# KiCad board SmallDSPDual.kicad_pcb (continued)
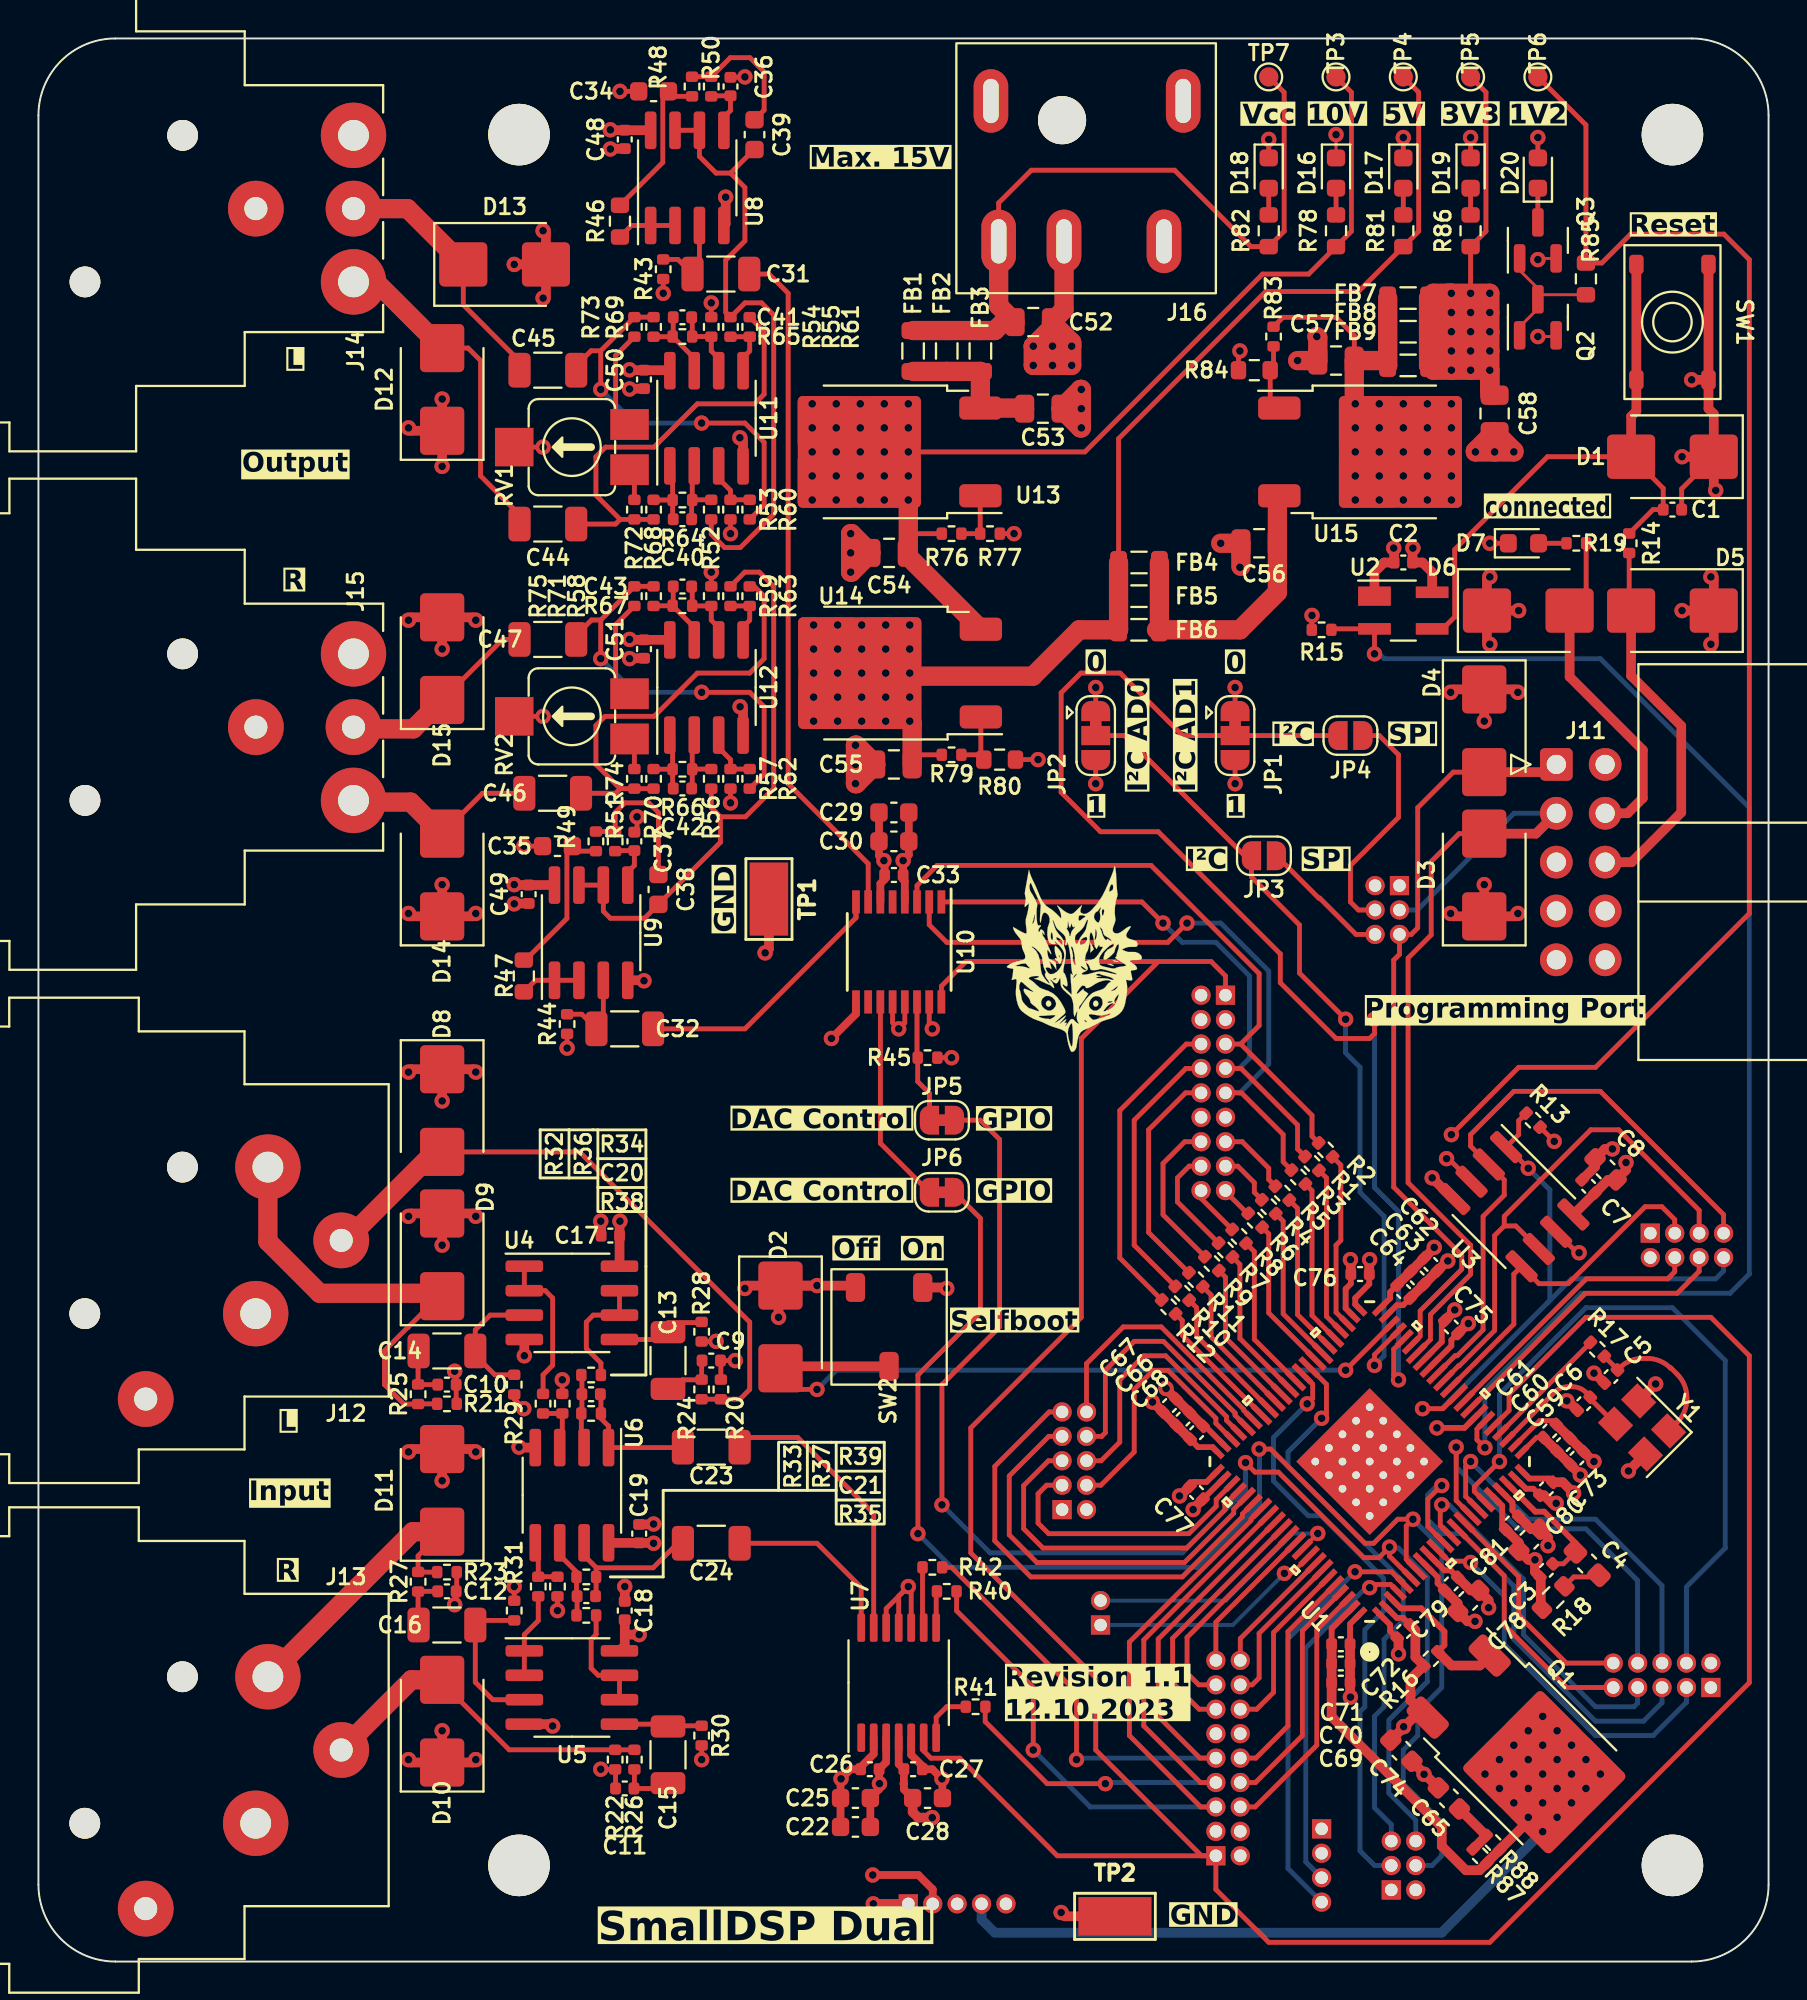
[diagram p0: board, top side]
## Library data of the parts (continued)
J5 J6 = -: Description: Generic connector, double row, 02x05, odd/even pin numbering scheme (row 1 odd numbers, row 2 even numbers), script generated (kicad-library-utils/schlib/autogen/connector/); Manufacturer: -; Part Number: -
J7 J9 = -: Description: Generic connector, double row, 02x03, odd/even pin numbering scheme (row 1 odd numbers, row 2 even numbers), script generated (kicad-library-utils/schlib/autogen/connector/); Manufacturer: -; Part Number: -
J8 = -: Description: Generic connector, double row, 02x04, odd/even pin numbering scheme (row 1 odd numbers, row 2 even numbers), script generated (kicad-library-utils/schlib/autogen/connector/); Manufacturer: -; Part Number: -
J10 = -: Description: Generic connector, single row, 01x02, script generated (kicad-library-utils/schlib/autogen/connector/); Manufacturer: -; Part Number: -
J11 = -: Description: Generic connector, double row, 02x05, odd/even pin numbering scheme (row 1 odd numbers, row 2 even numbers), script generated (kicad-library-utils/schlib/autogen/connector/); Manufacturer: Würth Electronik; Part Number: 61201021721
J12 J13 = -: Description: AA Series, 3 pole female XLR receptacle, grounding: separate ground contact to mating connector shell and front panel, horizontal PCB mount; Manufacturer: Neutrik
J14 J15 = -: Description: AA Series, 3 pole male XLR receptacle, grounding: separate ground contact to mating connector shell and front panel, horizontal PCB mount; Manufacturer: Neutrik
J16 = -: Description: DC Barrel Jack with an internal switch; Manufacturer: CUI Devices; Part Number: PJ-079BH
JP1 JP2 = -: Description: 3-pole Solder Jumper, pins 1+2 closed/bridged; Manufacturer: -; Part Number: -
JP3 JP4 = -: Description: Solder Jumper, 2-pole, open; Manufacturer: -; Part Number: -
JP5 JP6 = -: Description: Solder Jumper, 2-pole, closed/bridged; Manufacturer: -; Part Number: -
Q1 = -: Description: PNP transistor, base/collector/emitter; Manufacturer: onsemi
Q2 Q3 = -: Description: 0.2A Ic, 40V Vce, Small Signal NPN Transistor, SOT-23; Assembling: X; JLC Part Number: C20526; Manufacturer: Jiangsu Changjing Electronics Technology Co., Ltd.
R1-R12 R17 R24-R27 R40-R42 = -: Description: Resistor, small symbol; Assembling: X; JLC Part Number: C25076; Manufacturer: UNI-ROYAL(Uniroyal Elec); Part Number: 0402WGF1000TCE; Rated Power: 62.5mW; Tolerance: 1%
R13 R20-R23 R28-R31 R43 R44 = -: Description: Resistor, small symbol; Assembling: X; JLC Part Number: C25741; Manufacturer: UNI-ROYAL(Uniroyal Elec); Part Number: 0402WGF1003TCE; Rated Power: 62.5mW; Tolerance: 1%
R14 R16 R19 R72-R75 = -: Description: Resistor, small symbol; Assembling: X; JLC Part Number: C11702; Manufacturer: UNI-ROYAL(Uniroyal Elec); Part Number: 0402WGF1001TCE; Rated Power: 62.5mW; Tolerance: 1%
R15 R36-R39 R45 R52-R59 = -: Description: Resistor, small symbol; Assembling: X; JLC Part Number: C25744; Manufacturer: UNI-ROYAL(Uniroyal Elec); Part Number: 0402WGF1002TCE; Rated Power: 62.5mW; Tolerance: 1%
R18 = -: Description: Resistor, small symbol; Assembling: X; JLC Part Number: C23159; Manufacturer: UNI-ROYAL(Uniroyal Elec); Part Number: 0603WAF4301T5E; Rated Power: 100mW; Tolerance: 1%
R32-R35 R60-R67 = -: Description: Resistor, small symbol; Assembling: X; JLC Part Number: C25765; Manufacturer: UNI-ROYAL(Uniroyal Elec); Part Number: 0402WGF2002TCE; Rated Power: 62.5mW; Tolerance: 1%
R46 R47 R80 = -: Description: Resistor, small symbol; Assembling: X; JLC Part Number: C22980; Manufacturer: UNI-ROYAL(Uniroyal Elec); Part Number: 0603WAF3601T5E; Rated Power: 100mW; Tolerance: 1%
R48 R49 = -: Description: Resistor, small symbol; Assembling: X; JLC Part Number: C25762; Manufacturer: UNI-ROYAL(Uniroyal Elec); Part Number: 0402WGF1802TCE; Rated Power: 62.5mW; Tolerance: 1%
R50 R51 = -: Description: Resistor, small symbol; Assembling: X; JLC Part Number: C25905; Manufacturer: UNI-ROYAL(Uniroyal Elec); Part Number: 0402WGF5101TCE; Rated Power: 62.5mW; Tolerance: 1%
R68-R71 = -: Description: Resistor, small symbol; Assembling: X; JLC Part Number: C25118; Manufacturer: UNI-ROYAL(Uniroyal Elec); Part Number: 0402WGF470JTCE; Rated Power: 62.5mW; Tolerance: 1%
R76 R79 R83 = -: Description: Resistor, small symbol; Assembling: X; JLC Part Number: C25862; Manufacturer: UNI-ROYAL(Uniroyal Elec); Part Number: 0402WGF1201TCE; Rated Power: 62.5mW; Tolerance: 1%
R77 = -: Description: Resistor, small symbol; Assembling: X; JLC Part Number: C25924; Manufacturer: UNI-ROYAL(Uniroyal Elec); Part Number: 0402WGF8201TCE; Rated Power: 62.5mW; Tolerance: 1%
R78 = -: Description: Resistor, small symbol; Assembling: X; JLC Part Number: C22843; Manufacturer: UNI-ROYAL(Uniroyal Elec); Part Number: 0603WAF1501T5E; Rated Power: 100mW; Tolerance: 1%
R81 = -: Description: Resistor, small symbol; Assembling: X; JLC Part Number: C23170; Manufacturer: UNI-ROYAL(Uniroyal Elec); Part Number: 0603WAF4300T5E; Rated Power: 100mW; Tolerance: 1%
R82 R84 = -: Description: Resistor, small symbol; Assembling: X; JLC Part Number: C22975; Manufacturer: UNI-ROYAL(Uniroyal Elec); Part Number: 0603WAF2001T5E; Rated Power: 100mW; Tolerance: 1%
R85 = -: Description: Resistor, small symbol; Assembling: X; JLC Part Number: C23350; Manufacturer: UNI-ROYAL(Uniroyal Elec); Part Number: 0603WAF2400T5E; Rated Power: 100mW; Tolerance: 1%
R86 = -: Description: Resistor, small symbol; Assembling: X; JLC Part Number: C23255; Manufacturer: UNI-ROYAL(Uniroyal Elec); Part Number: 0603WAF820JT5E; Rated Power: 100mW; Tolerance: 1%
R87 R88 = -: Description: Resistor, small symbol; Assembling: X; JLC Part Number: C25086; Manufacturer: UNI-ROYAL(Uniroyal Elec); Part Number: 0402WGF100KTCE; Rated Power: 62.5mW; Tolerance: 1%
RV1 RV2 = -: Description: Potentiometer; Manufacturer: Nidec; Part Number: ST-4ETB102; Rated Current: 100mA; Rated Power: 250mW
SW1 = -: Description: Push button switch, generic, two pins; Assembling: X; JLC Part Number: C318884; Manufacturer: XKB Connectivity
SW2 = -: Description: Switch, single pole double throw, center OFF position; Manufacturer: Nidec Components
TP1 TP2 = -: Description: test point; Manufacturer: Keystone; Part Number: 5019
TP3-TP7 = -: Description: test point
U1 = -: Description: Analog Devices Sigma DSP; Manufacturer: Analog Devices; Part Number: ADAU1463WBCPZ150; Field13: 0.213in/5.4mm
U2 = -: Description: Voltage Supervisor; Manufacturer: Analog Devices; Part Number: ADM811TARTZ-REEL
U3 = -: Description: 1Mbit SPI EEPROM; Manufacturer: STMicroelectronics; Part Number: M95M01-RMN6TP
U4-U6 U8 U11 U12 = -: Description: Dual operational amplifier; Assembling: X; JLC Part Number: C7426; Manufacturer: Texas Instruments; Part Number: NE5532DR
U7 = -: Description: 2 Channel Audio ADC; Manufacturer: Texas Instruments; Part Number: PCM1808PWR
U9 = -: Description: Dual operational amplifier; Assembling: X; JLC Part Number: C7426; Manufacturer: Texas Instruments; Notes: Cheaper and better ROHM LM4565; Part Number: NE5532DR
U10 = -: Description: 2 Channel Audio DAC; Manufacturer: Texas Instruments; Part Number: PCM1754DBQR
U13-U15 = -: Description: 1.5A 35V Adjustable Linear Regulator, TO-252; Assembling: X; JLC Part Number: C75510; Manufacturer: UTC(Unisonic Tech); Part Number: LM317AG-TN3-R
Y1 = -: Description: Four pin crystal, GND on pins 2 and 4, small symbol; Manufacturer: Würth Elektronik

## Footprints (pads in the part's own frame, mm; a bottom-side part is the same pattern mirrored in y, then rotated)
ADAU1463
  rect 0.805x0.3 smd: 1(-5.952,5.25) 2(-5.952,4.75) 21(-5.952,-4.75) 22(-5.952,-5.25) 45(5.952,-5.25) 46(5.952,-4.75) 65(5.952,4.75) 66(5.952,5.25)
  rect 0.955x0.3 smd: 3(-5.877,4.25) 4(-5.877,3.75) 19(-5.877,-3.75) 20(-5.877,-4.25) 47(5.877,-4.25) 48(5.877,-3.75) 63(5.877,3.75) 64(5.877,4.25)
  rect 1.105x0.3 smd: 5(-5.802,3.25) 6(-5.802,2.75) 17(-5.802,-2.75) 18(-5.802,-3.25) 49(5.802,-3.25) 50(5.802,-2.75) 61(5.802,2.75) 62(5.802,3.25)
  rect 1.305x0.3 smd: 7(-5.702,2.25) 8(-5.702,1.75) 9(-5.702,1.25) 10(-5.702,0.75) 11(-5.702,0.25) 12(-5.702,-0.25) 13(-5.702,-0.75) 14(-5.702,-1.25) 15(-5.702,-1.75) 16(-5.702,-2.25) 51(5.702,-2.25) 52(5.702,-1.75) 53(5.702,-1.25) 54(5.702,-0.75) 55(5.702,-0.25) 56(5.702,0.25) 57(5.702,0.75) 58(5.702,1.25) 59(5.702,1.75) 60(5.702,2.25)
  rect 0.3x0.805 smd: 23(-5.25,-5.952) 24(-4.75,-5.952) 43(4.75,-5.952) 44(5.25,-5.952) 67(5.25,5.952) 68(4.75,5.952) 87(-4.75,5.952) 88(-5.25,5.952)
  rect 0.3x0.955 smd: 25(-4.25,-5.877) 26(-3.75,-5.877) 41(3.75,-5.877) 42(4.25,-5.877) 69(4.25,5.877) 70(3.75,5.877) 85(-3.75,5.877) 86(-4.25,5.877)
  rect 0.3x1.105 smd: 27(-3.25,-5.802) 28(-2.75,-5.802) 39(2.75,-5.802) 40(3.25,-5.802) 71(3.25,5.802) 72(2.75,5.802) 83(-2.75,5.802) 84(-3.25,5.802)
  rect 0.3x1.305 smd: 29(-2.25,-5.702) 30(-1.75,-5.702) 31(-1.25,-5.702) 32(-0.75,-5.702) 33(-0.25,-5.702) 34(0.25,-5.702) 35(0.75,-5.702) 36(1.25,-5.702) 37(1.75,-5.702) 38(2.25,-5.702) 73(2.25,5.702) 74(1.75,5.702) 75(1.25,5.702) 76(0.75,5.702) 77(0.25,5.702) 78(-0.25,5.702) 79(-0.75,5.702) 80(-1.25,5.702) 81(-1.75,5.702) 82(-2.25,5.702)
  round 0.8 hole 0.4: EP(-2,0) EP(-2,2) EP(-2,1) EP(-2,-1) EP(-2,-2) EP(-1,2) EP(-1,1) EP(-1,0) EP(-1,-1) EP(-1,-2) EP(0,2) EP(0,1) EP(0,0) EP(0,-1) EP(0,-2) EP(1,2) EP(1,1) EP(1,0) EP(1,-1) EP(1,-2) EP(2,2) EP(2,1) EP(2,-1) EP(2,-2) EP(2,0)
  rect 5.4x5.4 smd: EP(0,0)
BarrelJack_CUI_PJ-079BH_Horizontal
  round 2.5 hole 2.5 unplated: (1.25,-2.5)
  oval 1.8x3.3 hole 0.8x2.3: 1(4.55,3.8) 2(-5.05,-3.5) 2(1.15,3.8) 2(4.95,-3.5) 3(-4.05,3.8)
C_0402_1005Metric
  rrect 0.56x0.62 smd: 1(-0.48,0) 2(0.48,0)
C_0603_1608Metric
  rrect 0.9x0.95 smd: 1(-0.775,0) 2(0.775,0)
C_0603_1608Metric_Pad1.08x0.95mm_HandSolder
  rrect 1.075x0.95 smd: 1(-0.863,0) 2(0.863,0)
C_0805_2012Metric
  rrect 1x1.45 smd: 1(-0.95,0) 2(0.95,0)
C_1206_3216Metric
  rrect 1.15x1.8 smd: 1(-1.475,0) 2(1.475,0)
CJS-1201TB
  rrect 1.5x1 smd: 1(-2.05,1.75) 2(2.05,0) 3(-2.05,-1.75)
Crystal_SMD_3225-4Pin_3.2x2.5mm
  rect 1.4x1.2 smd: 1(-1.1,-0.85) 2(1.1,-0.85) 3(1.1,0.85) 4(-1.1,0.85)
D_SMB
  rrect 2.5x2.3 smd: 1(-2.15,0) 2(2.15,0)
IDC-Header_2x05_P2.54mm_Horizontal
  rrect 1.7x1.7 hole 1: 1(0,0)
  round 1.7 hole 1: 2(2.54,0) 3(0,-2.54) 4(2.54,-2.54) 5(0,-5.08) 6(2.54,-5.08) 7(0,-7.62) 8(2.54,-7.62) 9(0,-10.16) 10(2.54,-10.16)
Jack_XLR_Neutrik_NC3FAAH2_Horizontal
  round 1.6 hole 1.6 unplated: (3.81,-7.62) (8.89,0)
  round 3.4 hole 1.6: 1(0,0) 2(-0.635,-7.62)
  round 2.9 hole 1.2: 3(-4.45,-3.81) G(5.72,4.44)
Jack_XLR_Neutrik_NC3MAAH_Horizontal
  round 1.6 hole 1.6 unplated: (0,-8.89) (7.62,-13.97)
  round 3.4 hole 1.6: 1(0,0) 2(7.62,0)
  round 2.9 hole 1.2: 3(3.81,0) G(3.81,-5.08)
L_0805_2012Metric
  rrect 0.875x1.2 smd: 1(-1.062,0) 2(1.062,0)
LED_0603_1608Metric
  rrect 0.875x0.95 smd: 1(-0.787,0) 2(0.787,0)
MountingHole_3.2mm_M3_ISO7380
  round 3.2 hole 3.2 unplated: (0,0)
PinHeader_1x02_P1.27mm_Vertical
  rect 1x1 hole 0.65: 1(0,0)
  oval 1x1 hole 0.65: 2(0,-1.27)
PinHeader_1x04_P1.27mm_Vertical
  rect 1x1 hole 0.65: 1(0,0)
  oval 1x1 hole 0.65: 2(0,-1.27) 3(0,-2.54) 4(0,-3.81)
PinHeader_1x05_P1.27mm_Vertical
  rect 1x1 hole 0.65: 1(0,0)
  oval 1x1 hole 0.65: 2(0,-1.27) 3(0,-2.54) 4(0,-3.81) 5(0,-5.08)
PinHeader_2x03_P1.27mm_Vertical
  rect 1x1 hole 0.65: 1(0,0)
  oval 1x1 hole 0.65: 2(1.27,0) 3(0,-1.27) 4(1.27,-1.27) 5(0,-2.54) 6(1.27,-2.54)
PinHeader_2x04_P1.27mm_Vertical
  rect 1x1 hole 0.65: 1(0,0)
  oval 1x1 hole 0.65: 2(1.27,0) 3(0,-1.27) 4(1.27,-1.27) 5(0,-2.54) 6(1.27,-2.54) 7(0,-3.81) 8(1.27,-3.81)
PinHeader_2x05_P1.27mm_Vertical
  rect 1x1 hole 0.65: 1(0,0)
  oval 1x1 hole 0.65: 2(1.27,0) 3(0,-1.27) 4(1.27,-1.27) 5(0,-2.54) 6(1.27,-2.54) 7(0,-3.81) 8(1.27,-3.81) 9(0,-5.08) 10(1.27,-5.08)
PinHeader_2x09_P1.27mm_Vertical
  rect 1x1 hole 0.65: 1(0,0)
  oval 1x1 hole 0.65: 2(1.27,0) 3(0,-1.27) 4(1.27,-1.27) 5(0,-2.54) 6(1.27,-2.54) 7(0,-3.81) 8(1.27,-3.81) 9(0,-5.08) 10(1.27,-5.08) 11(0,-6.35) 12(1.27,-6.35) 13(0,-7.62) 14(1.27,-7.62) 15(0,-8.89) 16(1.27,-8.89) 17(0,-10.16) 18(1.27,-10.16)
Potentiometer_Nidec_ST4ETB_Vertical
  rect 1.6x2 smd: 1(-1.175,-3) 3(1.175,-3)
  rect 2x2 smd: 2(0,3)
R_0402_1005Metric
  rrect 0.54x0.64 smd: 1(-0.51,0) 2(0.51,0)
R_0603_1608Metric
  rrect 0.8x0.95 smd: 1(-0.825,0) 2(0.825,0)
SOIC-8_3.9x4.9mm_P1.27mm
  rrect 1.95x0.6 smd: 1(-2.475,1.905) 2(-2.475,0.635) 3(-2.475,-0.635) 4(-2.475,-1.905) 5(2.475,-1.905) 6(2.475,-0.635) 7(2.475,0.635) 8(2.475,1.905)
SolderJumper-2_P1.3mm_Bridged_RoundedPad1.0x1.5mm
  custom 1x1.5 smd: 1(-0.65,0) 2(0.65,0)
SolderJumper-2_P1.3mm_Open_RoundedPad1.0x1.5mm
  custom 1x1.5 smd: 1(-0.65,0) 2(0.65,0)
SolderJumper-3_P1.3mm_Bridged12_RoundedPad1.0x1.5mm
  custom 1.05x1.5 smd: 1(-1.3,0) 3(1.3,0)
  rect 1x1.5 smd: 2(0,0)
SOT-23
  rrect 1.475x0.6 smd: 1(-0.938,0.95) 2(-0.938,-0.95) 3(0.938,0)
SOT-143_Handsoldering
  rect 1.7x1 smd: 1(-1.5,0.75)
  rect 1.7x0.6 smd: 2(-1.5,-0.95) 3(1.5,-0.95) 4(1.5,0.95)
SSOP-16_3.9x4.9mm_P0.635mm
  rect 1.2x0.4 smd: 1(-2.6,2.223) 2(-2.6,1.587) 3(-2.6,0.953) 4(-2.6,0.318) 5(-2.6,-0.318) 6(-2.6,-0.953) 7(-2.6,-1.587) 8(-2.6,-2.223) 9(2.6,-2.223) 10(2.6,-1.587) 11(2.6,-0.953) 12(2.6,-0.318) 13(2.6,0.318) 14(2.6,0.953) 15(2.6,1.587) 16(2.6,2.223)
TestPoint_Keystone_5019_Minature
  rect 3.8x2 smd: 1(0,0)
TestPoint_Pad_D1.0mm
  round 1 smd: 1(0,0)
TO-252-2
  rrect 2.2x1.2 smd: 1(-5.04,2.28) 3(-5.04,-2.28)
  rrect 3.05x2.75 smd: 2(-0.415,1.525) 2(-0.415,-1.525) 2(2.935,1.525) 2(2.935,-1.525)
  rrect 6.4x5.8 smd: 2(1.26,0)
TS-1187A-B-A-B
  rrect 1x0.75 smd: 1(-3,1.875) 1(3,1.875) 2(-3,-1.875) 2(3,-1.875)
TSSOP-14_4.4x5mm_P0.65mm
  rrect 1.475x0.4 smd: 1(-2.862,1.95) 2(-2.862,1.3) 3(-2.862,0.65) 4(-2.862,0) 5(-2.862,-0.65) 6(-2.862,-1.3) 7(-2.862,-1.95) 8(2.862,-1.95) 9(2.862,-1.3) 10(2.862,-0.65) 11(2.862,0) 12(2.862,0.65) 13(2.862,1.3) 14(2.862,1.95)

## Nets
+1V2: C59.1 C60.1 C61.1 C62.1 C63.1 C64.1 C66.1 C67.1 C68.1 C69.1 C70.1 C71.1 J1.4 Q1.2 R85.1 R87.1 R88.1 TP6.1 U1.24 U1.43 U1.65 U1.87
+3V3: C2.1 C7.1 C8.1 C27.1 C28.1 C58.1 C72.1 C73.1 C74.1 C75.1 C76.1 C77.1 C78.1 C79.1 C80.1 C81.1 D20.2 FB7.2 FB8.2 FB9.2 J1.3 J2.2 J3.2 J4.1 J5.2 J6.2 J7.2 J8.2 J9.2 JP1.3 JP2.3 Q1.3 R13.2 R15.2 R16.1 R45.2 R86.1 SW2.1 TP5.1 U1.2 U1.9 U1.19 U1.22 U1.37 U1.46 U1.68 U2.4 U3.3 U3.7 U3.8 U7.4
+5V: C22.1 C25.1 C26.1 C29.1 C30.1 C33.1 C55.1 FB4.1 FB5.1 FB6.1 J1.2 R28.1 R29.1 R30.1 R31.1 R36.2 R37.2 R43.1 R44.1 R53.2 R54.2 R57.2 R58.2 R79.1 R81.1 RV1.2 RV2.2 TP4.1 U7.3 U10.6 U14.2
+10V: C17.1 C18.1 C19.1 C48.1 C49.1 C50.1 C51.1 C54.1 J1.1 R76.1 R78.1 TP3.1 U4.8 U5.8 U6.8 U8.8 U9.8 U11.8 U12.8 U13.2 U14.3
/5V_PGRM: D6.2 J11.4 R19.1
GND: C1.2 C2.2 C3.1 C5.2 C6.2 C7.2 C8.2 C9.2 C10.2 C11.2 C12.2 C17.2 C18.2 C19.2 C22.2 C25.2 C26.2 C27.2 C28.2 C29.2 C30.2 C33.2 C34.1 C35.1 C36.1 C37.1 C48.2 C49.2 C50.2 C51.2 C52.2 C53.2 C54.2 C55.2 C56.2 C57.2 C58.2 C59.2 C60.2 C61.2 C62.2 C63.2 C64.2 C65.2 C66.2 C67.2 C68.2 C69.2 C70.2 C71.2 C72.2 C73.2 C74.2 C75.2 C76.2 C77.2 C78.2 C79.2 C80.2 C81.2 D1.1 D2.1 D3.1 D4.1 D5.1 D6.1 D7.1 D8.1 D9.2 D10.1 D11.2 D12.1 D13.2 D14.1 D15.2 D16.1 D17.1 D18.1 D19.1 J1.5 J2.3 J2.4 J2.11 J2.12 J3.3 J3.4 J3.11 J3.12 J4.2 J5.1 J6.1 J7.1 J8.1 J9.1 J11.10 J12.1 J13.1 J14.1 J14.G J15.1 J15.G J16.2 J16.3 JP1.1 JP2.1 Q2.2 Q3.2 R18.2 R20.2 R21.2 R22.2 R23.2 R77.2 R80.2 R84.2 SW1.1 SW2.3 TP1.1 TP2.1 U1.1 U1.8 U1.18 U1.21 U1.23 U1.29 U1.36 U1.44 U1.45 U1.66 U1.67 U1.88 U1.EP U2.1 U3.4 U4.4 U5.4 U6.4 U7.2 U7.5 U7.10 U7.11 U7.12 U8.4 U9.4 U10.4 U10.9 U10.12 U10.13 U10.15 U11.4 U12.4 Y1.2 Y1.4
VCC: C52.1 FB1.1 FB2.1 FB3.1 J16.1 R82.1 TP7.1
/Analog Input/Analog_In_L: C20.1 C23.1 R38.1 U6.1
/Analog Input/Analog_In_R: C21.1 C24.1 R39.1 U6.7
/Analog Output/DAC_Out_L: C31.1 U10.7
/Analog Output/DAC_Out_R: C32.1 U10.8
/AuxADC0: J6.3 U1.10
/AuxADC1: J6.5 U1.11
/AuxADC2: J6.7 U1.12
/AuxADC3: J6.9 U1.13
/AuxADC4: J6.10 U1.14
/AuxADC5: J6.8 U1.15
/AuxADC6: J6.6 U1.16
/AuxADC7: J6.4 U1.17
/BCLK_In0: J2.5 R40.2 U1.73
/BCLK_In1: J2.13 U1.76
/BCLK_In2: J2.18 U1.81
/BCLK_In3: J2.10 U1.84
/BCLK_Out0: J3.7 R1.2 U10.1
/BCLK_Out1: J3.15 R4.2
/BCLK_Out2: J3.16 R7.2
/BCLK_Out3: J3.8 R10.2
/DAC_Mute: JP5.1 R45.1 U10.14
/DAC_ZeroFlag: JP6.1 U10.11
/GPIO6: J9.5 U1.53
/GPIO7: J9.3 U1.54
/GPIO14: J9.6 JP5.2 U1.6
/GPIO15: J9.4 JP6.2 U1.7
/LRCK_In0: J2.7 R41.2 U1.74
/LRCK_In1: J2.15 U1.77
/LRCK_In2: J2.16 U1.82
/LRCK_In3: J2.8 U1.85
/LRCK_Out0: J3.5 R2.2 U10.3
/LRCK_Out1: J3.13 R5.2
/LRCK_Out2: J3.18 R8.2
/LRCK_Out3: J3.10 R11.2
/M_MOSI: J8.3 U1.33 U3.5
/M_SCL1/SCLK: J8.5 U1.34 U3.6
/M_SDA1/MISO: J8.7 U1.35 U3.2
/M_SDA2: J8.4 U1.31
/M_SDL2: J8.6 U1.30
/MCLK: J2.1 J3.1 U1.27 U7.6 U10.16
/RST_PGRM: D5.2 J11.6 R14.2
/S_MOSI: J7.4 JP4.1
/S_SCL: D4.2 J7.5 J11.1 U1.39
/S_SDA/MISO: D3.2 J7.3 J11.3 U1.38
/SDATA_In0: J2.9 R42.2 U1.75
/SDATA_In1: J2.17 U1.78
/SDATA_In2: J2.14 U1.83
/SDATA_In3: J2.6 U1.86
/SDATA_IO0: J5.9 U1.72
/SDATA_IO1: J5.7 U1.71
/SDATA_IO2: J5.5 U1.70
/SDATA_IO3: J5.3 U1.69
/SDATA_IO4: J5.4 U1.64
/SDATA_IO5: J5.6 U1.63
/SDATA_IO6: J5.8 U1.62
/SDATA_IO7: J5.10 U1.61
/SDATA_Out0: J3.9 R3.2 U10.2
/SDATA_Out1: J3.17 R6.2
/SDATA_Out2: J3.14 R9.2
/SDATA_Out3: J3.6 R12.2
/SPDIT_In: J4.3 U1.4
/SPDIT_Out: J4.4 U1.5
/Tmp+: J10.1 U1.80
/Tmp-: J10.2 U1.79
/~{DSP_RST}: R15.1 U1.28 U2.2
/~{M_CS}: J8.8 R13.1 U1.32 U3.1
/~{S_CS}: J7.6 JP3.1
Net-(C4-Pad2): C4.2 R18.1
Net-(C5-Pad1): C5.1 R17.2 Y1.1
Net-(C10-Pad1): C10.1 C14.1 R25.2
Net-(C11-Pad1): C11.1 C15.1 R26.2
Net-(C12-Pad1): C12.1 C16.1 R27.2
Net-(C13-Pad1): C9.1 C13.1 R24.1
Net-(C34-Pad2): C34.2 R46.1 R48.2
Net-(C35-Pad2): C35.2 R47.1 R49.2
Net-(C38-Pad1): C38.1 R49.1 R51.2
Net-(C39-Pad1): C39.1 R48.1 R50.2
Net-(C40-Pad1): C40.1 R64.1 R68.2 U11.1
Net-(C41-Pad1): C41.1 R65.1 R69.2 U11.7
Net-(C42-Pad1): C42.1 R66.1 R70.2 U12.1
Net-(C43-Pad1): C43.1 R67.1 R71.2 U12.7
Net-(C44-Pad1): C44.1 R61.2 R68.1 R72.1
Net-(C45-Pad1): C45.1 R60.2 R69.1 R73.2
Net-(C46-Pad1): C46.1 R63.2 R70.1 R74.1
Net-(C47-Pad1): C47.1 R62.2 R71.1 R75.2
Net-(C65-Pad1): C65.1 R87.2 R88.2
Net-(D1-A2): C1.1 D1.2 R14.1 SW1.2 U2.3
Net-(D2-A2): D2.2 SW2.2 U1.42
Net-(D7-A): D7.2 R19.2
Net-(D8-A2): D8.2 J12.3 R20.1 R24.2
Net-(D9-A1): D9.1 J12.2 R21.1 R25.1
Net-(D10-A2): D10.2 J13.3 R22.1 R26.1
Net-(D11-A1): D11.1 J13.2 R23.1 R27.1
Net-(D12-A2): C44.2 D12.2 J14.2
Net-(D13-A1): C45.2 D13.1 J14.3
Net-(D14-A2): C46.2 D14.2 J15.2
Net-(D15-A1): C47.2 D15.1 J15.3
Net-(D16-A): D16.2 R78.2
Net-(D17-A): D17.2 R81.2
Net-(D18-A): D18.2 R82.2
Net-(D19-A): D19.2 R86.2
Net-(D20-K): D20.1 Q3.3
Net-(JP1-C): JP1.2 JP4.2 U1.40
Net-(JP2-C): JP2.2 JP3.2 U1.41
Net-(Q1-B): Q1.1 R16.2 U1.3
Net-(Q2-B): Q2.1 Q2.3 Q3.1 R85.2
Net-(R72-Pad2): R72.2 RV1.1
Net-(R73-Pad1): R73.1 RV1.3
Net-(R74-Pad2): R74.2 RV2.1
Net-(R75-Pad1): R75.1 RV2.3
Net-(U1A-PLLFlt): C3.2 C4.1 U1.20
Net-(U1A-Xtal_In/MCLK_In): C6.1 U1.25 Y1.3
Net-(U1A-Xtal_Out): R17.1 U1.26
Net-(U1C-BCLK_Out0): R1.1 U1.48
Net-(U1C-BCLK_Out1): R4.1 U1.51
Net-(U1C-BCLK_Out2): R7.1 U1.56
Net-(U1C-BCLK_Out3): R10.1 U1.59
Net-(U1C-LRCK_Out0/GPIO4): R2.1 U1.47
Net-(U1C-LRCK_Out1/GPIO5): R5.1 U1.50
Net-(U1C-LRCK_Out2/GPIO8): R8.1 U1.55
Net-(U1C-LRCK_Out3/GPIO9): R11.1 U1.58
Net-(U1C-SDATA_Out0): R3.1 U1.49
Net-(U1C-SDATA_Out1): R6.1 U1.52
Net-(U1C-SDATA_Out2): R9.1 U1.57
Net-(U1C-SDATA_Out3): R12.1 U1.60
Net-(U4A-+): C14.2 R29.2 U4.3
Net-(U4A--): R32.2 U4.1 U4.2
Net-(U4B-+): C13.2 R28.2 U4.5
Net-(U4B--): R34.2 U4.6 U4.7
Net-(U5A-+): C16.2 R31.2 U5.3
Net-(U5A--): R33.2 U5.1 U5.2
Net-(U5B-+): C15.2 R30.2 U5.5
Net-(U5B--): R35.2 U5.6 U5.7
Net-(U6A-+): R32.1 R36.1 U6.3
Net-(U6A--): C20.2 R34.1 R38.2 U6.2
Net-(U6B-+): R33.1 R37.1 U6.5
Net-(U6B--): C21.2 R35.1 R39.2 U6.6
Net-(U7-BCLK): R40.1 U7.8
Net-(U7-In_L): C23.2 U7.13
Net-(U7-In_R): C24.2 U7.14
Net-(U7-LRCK): R41.1 U7.7
Net-(U7-SDATA): R42.1 U7.9
Net-(U8A-+): C31.2 R43.2 U8.3
Net-(U8A--): R46.2 U8.1 U8.2
Net-(U8B-+): C36.2 R50.1 U8.5
Net-(U8B--): C39.2 R52.2 R55.2 U8.6 U8.7
Net-(U9A-+): C32.2 R44.2 U9.3
Net-(U9A--): R47.2 U9.1 U9.2
Net-(U9B-+): C37.2 R51.1 U9.5
Net-(U9B--): C38.2 R56.2 R59.2 U9.6 U9.7
Net-(U11A-+): R53.1 R60.1 U11.3
Net-(U11A--): C40.2 R52.1 R64.2 U11.2
Net-(U11B-+): R55.1 R61.1 U11.5
Net-(U11B--): C41.2 R54.1 R65.2 U11.6
Net-(U12A-+): R57.1 R62.1 U12.3
Net-(U12A--): C42.2 R56.1 R66.2 U12.2
Net-(U12B-+): R59.1 R63.1 U12.5
Net-(U12B--): C43.2 R58.1 R67.2 U12.6
Net-(U13-ADJ): R76.2 R77.1 U13.1
Net-(U13-VI): C53.1 FB1.2 FB2.2 FB3.2 U13.3
Net-(U14-ADJ): R79.2 R80.1 U14.1
Net-(U15-ADJ): R83.2 R84.1 U15.1
Net-(U15-VI): C56.1 FB4.2 FB5.2 FB6.2 U15.3
Net-(U15-VO): C57.1 FB7.1 FB8.1 FB9.1 R83.1 U15.2

Pads without a net: J11 2 5 7 8 9; J12 G; J13 G; U7 1; U10 5 10

## Via types
v1: diameter 0.8, hole 0.4, Top to Bottom, 327 vias

## Routing (per net, layer and track width the routed paths; a pad name or vN(x,y) marks a point on that pad's centre or on a via; arc(x,y) is an arc through that point)
+1V2: length 205.4
  Top w0.25: C61.1 78.77,28.12 78.09,28.12 U1.24 ; v1(73.5,43) 77,46.5 81,46.5 89,54.5 89,88.5 87.68,89.83 82.82,89.83 81.32,88.33 R85.1 80.5,95.5 TP6.1
  Top w0.3: C71.1 67.27,17.3 U1.87 ; C64.1 70.99,34.13 70.66,34.13 U1.43 ; U1.65 60.69,27.84
  Top w0.5: R87.1 74.97,4.75 74.25,4.75 73,6 73,7 67.27,12.73 C69.1 C70.1 C71.1 ; C68.1 C67.1 C66.1 58.66,29.77 v1(58.66,29.8) ; 77.5,7.3 R88.1 75.36,5.16 ; C61.1 C60.1 C59.1 80.89,26 v1(80.92,26) ; v1(73.32,36.43) 73.29,36.43 C62.1 C63.1 C64.1
  In2.Cu w0.25: v1(73.5,43) 74.25,42.25 74.25,37.36 v1(73.32,36.43)
  In2.Cu w0.5: v1(58.66,29.8) 59.3,29.8 63,33.5 70.39,33.5 v1(73.32,36.43) 72.25,35.36 72.25,33.25 74.75,30.75 76.17,30.75 v1(80.92,26) 80.77,26.14 77.39,26.14 71.75,20.5 71.75,17.75 74.29,15.21 75.79,15.21 v1(78.25,12.75)
  Bottom w0.5: v1(78.25,6.75) 73,1.5 49.75,1.5 49.06,2.19 J1.4
  vias: v1(75.25,9.75) v1(76,10.5) v1(76,9) v1(76.75,11.25) v1(76.75,9.75) v1(76.75,8.25) v1(77.5,12) v1(77.5,10.5) v1(77.5,9) v1(77.5,7.5) v1(78.25,11.25) v1(78.25,9.75) v1(78.25,8.25) v1(79,12) v1(79,10.5) v1(79,9) v1(79,7.5) v1(79.75,11.25) v1(79.75,9.75) v1(79.75,8.25) v1(80.5,10.5) v1(80.5,9) v1(81.25,9.75)
+3V3: length 111.9
  Top w0.25: v1(80.14,36.86) 80.04,36.86 U3.7 ; TP5.1 75.3,97.2 75.3,89.97 R86.1 v1(74.5,86.75) ; v1(66.25,70) 66.24,69.99 R15.2 ; v1(73.25,41.75) 73.35,41.75 U3.3 ; R45.2 v1(47.5,47) ; JP2.3 v1(55,61.25) ; D20.2 v1(78,94.85) ; 78.15,43.35 v1(78.85,42.65) ; JP1.3 v1(62.25,61.25)
  Top w0.3: C81.1 76.67,23.47 76.67,23.88 U1.19 ; U1.68 C77.1 ; U1.46 68,33.97 68,34.98 68.27,35.25 C76.1 ; U1.9 73.14,20.34 73.46,20.34 C79.1 ; C75.1 73,33.18 73,32.22 U1.37 ; U1.22 77.56,25.12 78.59,25.12 C73.1 ; C72.1 70.99,17.87 70.66,17.87 U1.2
  Top w0.4: U7.4 44.75,10.27 C27.1 45.02,9.27 45,9.25 45.02,9.23 45.02,8.96 C28.1
  Top w0.5: C72.1 71.63,17.23 71.63,15.83 R16.1 71.37,14.69 71.37,13.58 Q1.3 71.53,12.69 71.05,12.21 v1(71.02,12.21) 71.02,12.18 C74.1 ; v1(68.25,36.5) 68.27,36.48 C76.1 ; v1(73.68,33.88) 73.68,33.86 C75.1 ; C73.1 79.29,24.93 v1(79.86,24.36) ; v1(75.44,18.4) 75.44,18.79 C78.1 74.51,19.3 C79.1 ; C28.1 45.47,7.78 45.77,7.48 v1(46.49,7.48) ; v1(78.52,21.63) 78.52,22.06 C80.1 77.66,22.48 C81.1 ; v1(47.25,35) 47.2,35.05 SW2.1 ; 71.48,73.48 C2.1 72,72.75 72.5,72.25 U2.4 ; 79.85,38.85 C7.1 81.65,40.65 C8.1 82.58,41.16 v1(82.58,41.55) ; v1(60.06,23.5) 60.06,23.53 C77.1
  Top w1: v1(73.5,82.75) 72.56,82.75 FB9.2 ; v1(73.5,82.75) v1(73.5,83.75) ; v1(73.5,82.75) v1(74.5,82.75) ; v1(73.5,82.75) v1(73.5,85.75) ; v1(73.5,84.75) v1(74.5,84.75) v1(75.5,84.75) ; v1(73.5,84.75) v1(73.5,85.75) ; v1(73.5,84.75) v1(73.5,83.75) ; v1(73.5,84.75) 73.31,84.75 72.31,83.75 ; v1(73.5,84.75) FB8.2 73.31,85.75 v1(73.5,85.75) ; v1(74.5,85.75) v1(75.5,85.75) ; v1(74.5,85.75) v1(74.5,82.75) ; v1(74.5,85.75) v1(73.5,85.75) ; v1(74.5,85.75) v1(74.5,86.75) ; v1(75.5,85.75) v1(75.5,84.75) ; v1(75.5,85.75) v1(75.5,86.75) v1(74.5,86.75) ; v1(73.5,83.75) 73.06,83.75 FB9.2 ; v1(73.5,83.75) v1(74.5,83.75) v1(75.5,83.75) ; v1(73.5,83.75) 72.31,83.75 ; v1(75.5,84.75) v1(75.5,83.75) ; v1(73.5,85.75) v1(73.5,86.75) ; v1(73.5,85.75) 72.31,85.75 ; v1(74.5,82.75) v1(75.5,82.75) ; 72.31,83.75 FB9.2 ; 72.31,83.75 72.31,85.75 ; 72.31,85.75 73.31,86.75 v1(73.5,86.75) ; 72.31,85.75 FB7.2 72.56,86.75 v1(73.5,86.75) ; v1(73.5,86.75) v1(74.5,86.75) ; v1(75.5,82.75) v1(75.5,83.75) ; v1(75.5,82.75) 75.5,81.45 ; v1(75.5,82.75) 75.5,81.7 C58.1
  In2.Cu w0.5: J9.2 72.53,3.72 72.75,3.5 72.75,2.5 72.25,2
  vias: v1(71.5,73.5)
+5V: length 80.1
  Top w0.25: R30.1 v1(34.5,10.5) ; R44.1 v1(27.5,47.5) ; R57.2 v1(36,60.25) ; R37.2 v1(27,18.25) ; v1(24.75,19.5) R31.1 ; R43.1 v1(32.5,86.75) ; TP4.1 71.8,97.2 71.8,89.97 R81.1 68.67,86.84 63.84,86.84 56.19,79.19 FB4.1 ; v1(25.25,28.75) 24.75,29.25 R29.1 ; R58.2 v1(35,72.25) ; v1(35.25,32.25) 34.51,32.25 ; RV1.2 v1(26.25,78.75) ; RV2.2 v1(26.25,64.75) ; R36.2 v1(27.25,30.25) ; R79.1 45.7,62.75 ; R54.2 v1(35,86.25) ; R53.2 v1(36,74.25)
  Top w0.4: C22.1 C25.1 43.73,8.96 43.73,9.23 v1(43.75,9.25) 43.73,9.27 C26.1 44.1,10.37 U7.3 ; C29.1 C30.1 43.72,57.51 v1(43.98,57.25) 44.02,57.21 C33.1 44.02,56.27 43.8,56.05 U10.6 ; J1.2 46.52,3.75 45.78,4.5 v1(43.4,4.5)
  Top w1: 45.38,64.45 v1(45.32,64.5) 45.45,64.38 C55.1 ; v1(45.32,67) 45.49,66.84 51.73,66.84 54.14,69.25 FB6.1 FB4.1
  vias: v1(40.32,69.5) v1(40.33,68.25) v1(40.32,67) v1(40.33,65.75) v1(40.32,64.5) v1(41.58,69.5) v1(41.57,68.25) v1(41.58,67) v1(41.57,65.75) v1(41.57,64.5) v1(42.82,69.5) v1(42.83,68.25) v1(42.82,67) v1(42.82,65.75) v1(42.82,64.5) v1(44.08,69.5) v1(44.07,68.25) v1(44.07,67) v1(44.07,65.75) v1(44.07,64.5) v1(45.32,69.5) v1(45.32,68.25) v1(45.32,65.75)
+10V: length 64.4
  Top w0.25: R76.1 45.5,74.25 45.2,73.95 C54.1 ; TP3.1 68.3,97.2 68.3,89.97 R78.1 66.07,87.75 63.68,87.75 54.43,78.5 v1(45.25,78.5)
  Top w0.5: J1.1 v1(43.43,3) ; 32.84,82.75 C50.1 30.77,82.75 v1(30.75,82.77) ; v1(30.25,38.5) 30.23,38.48 C17.1 30.23,36.16 ; 31.84,95.23 C48.1 29.77,95.23 v1(29.75,95.25) ; 30.5,17 v1(31.25,17) ; 30.5,17 C18.1 ; 30.5,17 30.5,16.43 U5.8 ; v1(30.75,68.75) 30.77,68.73 C51.1 32.84,68.73 ; 26.84,55.98 C49.1 24.77,55.98 v1(24.75,56) ; 29.66,21.77 C19.1 31.98,21.77 v1(32,21.75)
  Top w1: v1(45.25,76) 45.25,73.06 U14.3
  vias: v1(40.25,81) v1(40.25,79.75) v1(40.25,78.5) v1(40.25,77.25) v1(40.25,76) v1(41.5,81) v1(41.5,79.75) v1(41.5,78.5) v1(41.5,77.25) v1(41.5,76) v1(42.75,81) v1(42.75,79.75) v1(42.75,78.5) v1(42.75,77.25) v1(42.75,76) v1(44,81) v1(44,79.75) v1(44,78.5) v1(44,77.25) v1(44,76) v1(45.25,81) v1(45.25,79.75) v1(45.25,77.25)
/5V_PGRM: length 16.3
  Top w0.25: R19.1 80.51,71.11
  Top w0.5: D6.2 79.65,66.81 83.46,63 83.46,60.5 82.67,59.71 J11.4
GND: length 264.3
  Top w0.15: Q3.2 78.06,88.56 v1(78,88.5) ; v1(78,84.5) 78.89,84.5 ; D16.1 v1(67.5,95)
  Top w0.25: C36.1 36.73,97.98 v1(36.75,98) ; v1(31.14,59.53) 31.14,58.87 C37.1 ; C11.2 30.02,9.97 ; R22.2 29.26,9.99 v1(29.25,10) ; v1(64,94.75) D18.1 ; v1(45.25,19.5) 45.4,19.35 U7.10 ; v1(45.25,19.5) 44.75,19 U7.11 ; v1(45.25,19.5) 44.1,18.35 U7.12 ; R80.2 v1(52,62.5) ; R77.2 v1(50.75,74.25) ; 21.73,29.03 C10.2 21.73,30.62 v1(21.65,30.7) ; JP1.1 v1(62.25,66.25) ; v1(62.5,83.75) 62.43,83.67 R84.2 ; R20.2 35.5,31.23 ; v1(21.65,18.55) 21.73,18.63 C12.2 ; U10.13 45.07,48.82 v1(44.75,48.5) 44.43,48.82 U10.12 ; C34.1 v1(30.25,97.25) ; R23.2 21.76,19.28 ; U1.23 77.93,27.25 C61.2 ; C35.1 v1(25.25,58) ; U10.15 46.34,48.66 v1(46.5,48.5) ; D7.1 v1(75.5,73.75) ; D19.1 v1(74.5,94.85) ; D17.1 v1(71,94.85) ; D1.1 85.48,76.58 C1.2 ; JP2.1 v1(55,66.25) ; C9.2 v1(36.25,31.25)
  Top w0.3: C76.2 69.23,35.23 68.5,34.5 68.5,34.17 U1.45 ; U1.18 76.14,23.7 76.14,22.64 C81.2 ; U1.29 74.18,27.75 v1(72.75,27.75) ; C68.2 60.32,26.75 61.08,26.75 U1.66 ; C72.2 70.31,17.19 70.31,17.51 U1.1 ; C77.2 60.11,24.94 60.76,24.94 U1.67 ; U1.88 68.23,17.56 C71.2 ; C79.2 72.79,19.66 72.79,19.99 U1.8 ; C64.2 70.31,34.81 70.31,34.49 U1.44 ; C75.2 73.5,32.32 73.5,32.02 U1.36 ; U1.21 77.38,24.59 77.76,24.59 C73.2
  Top w0.4: C28.2 47.03,9.47 v1(47,9.5) 46.5,10 C27.2 45.98,10.17 45.4,10.75 U7.5 ; C26.2 42.25,10 v1(41.75,9.5) 41.72,9.47 C25.2 C22.2 ; U10.4 45.07,56.18 44.98,56.27 C33.2 v1(44.98,57.25) 45.28,57.55 C30.2 C29.2 ; U10.9 42.53,49.28 v1(41.25,48) ; U7.2 43.45,10.79 42.77,10.11
  Top w0.5: v1(75.5,68.5) 75.35,68.65 D6.1 ; SW1.1 86.88,80.75 87.15,80.47 87.15,79.15 86.25,78.25 v1(85.5,78.25) ; SW1.1 v1(86,82.25) ; SW1.1 SW1.1 ; v1(30.75,67.75) 30.77,67.77 C51.2 ; v1(35.75,91.75) 35.75,90.37 U8.4 ; U11.4 36.66,79.07 v1(36.49,79.24) ; v1(22.75,69.75) 22.6,69.9 D15.2 ; 38.5,35.15 v1(38.5,33.5) ; 38.5,35.15 36.9,35.15 v1(36.75,35) ; 38.5,35.15 v1(40.5,35.15) ; v1(19.25,54.5) 19.4,54.35 D14.1 ; C19.2 31.98,22.73 v1(32,22.75) ; v1(30.75,81.77) 30.77,81.79 C50.2 ; C72.2 70.75,16.75 v1(70.75,16) ; D4.1 73.61,66.15 v1(73.46,66) ; D4.1 76.81,66.15 v1(76.96,66) ; D4.1 v1(75.21,64.5) ; 70.52,73.48 C2.2 70,72.75 69.5,72.25 U2.1 ; D15.2 v1(21,68.25) ; D15.2 19.4,69.9 v1(19.25,69.75) ; U12.4 36.66,65.09 v1(36.5,65.25) ; C76.2 69.23,36.48 v1(69.25,36.5) ; v1(22.75,54.5) 22.6,54.35 D14.1 ; v1(19.25,46.25) 19.4,46.4 D8.1 ; v1(19.25,10.5) 19.4,10.35 D10.1 ; D10.1 v1(21,12) ; D10.1 22.6,10.35 v1(22.75,10.5) ; C64.2 C63.2 C62.2 72.61,37.11 v1(72.61,37.14) ; D14.1 v1(21,56) ; TP1.1 38,52.65 v1(37.8,52.45) ; D12.1 19.4,79.6 v1(19.25,79.75) ; D12.1 v1(21,81.25) ; D12.1 v1(21,77.75) ; C61.2 C60.2 C59.2 80.21,25.32 v1(80.21,25.29) ; D1.1 87.15,76.6 v1(87.25,76.5) ; v1(87,68.5) 87.15,68.65 D5.1 ; D6.1 v1(77,70.25) ; D6.1 75.35,71.85 v1(75.5,72) ; 26.4,86.65 D13.2 ; D13.2 v1(24.75,88.25) ; D13.2 26.4,89.85 v1(26.25,90) ; v1(79.5,29.16) 79.56,29.16 C6.2 ; v1(59.36,24.21) 59.39,24.21 C77.2 ; v1(68.25,13.75) 68.23,13.77 C69.2 C70.2 C71.2 ; v1(22.75,46.25) 22.6,46.4 D8.1 ; C68.2 59.03,28.04 ; 59.03,28.04 C67.2 ; 59.03,28.04 C66.2 57.98,29.09 v1(57.95,29.09) ; v1(78.95,23.83) 78.74,23.83 78.32,24.25 C73.2 ; C48.2 29.77,94.27 v1(29.75,94.25) ; TP2.1 53.4,2.35 v1(53.2,2.55) ; D3.1 73.61,54.35 v1(73.46,54.5) ; D3.1 76.81,54.35 v1(76.96,54.5) ; D3.1 v1(75.21,56) ; v1(25.28,31.5) U4.4 ; v1(31.5,51) 31.47,51.03 U9.4 ; v1(80.92,30.6) 80.95,30.6 C5.2 ; D8.1 v1(21,44.75) ; v1(82.71,25.51) Y1.4 ; 73.6,39.65 v1(72.5,40.75) ; D5.1 v1(85.5,70.25) ; D5.1 87.15,71.85 v1(87,72) ; D11.2 19.4,26.65 v1(19.25,26.5) ; D11.2 v1(21,25) ; D11.2 22.6,26.65 v1(22.75,26.5) ; C79.2 73.83,18.62 C78.2 74.34,17.69 v1(74.73,17.69) ; v1(29.25,38.5) 29.27,38.48 C17.2 ; v1(81.88,42.26) 81.49,42.26 C8.2 80.97,41.33 C7.2 ; v1(19.25,38.75) 19.4,38.9 D9.2 ; C49.2 24.77,55.02 v1(24.75,55) ; C65.2 72.12,9.74 v1(72.08,9.74) 72.08,9.78 C74.2 ; U5.4 26.66,12.34 v1(26.75,12.25) ; C18.2 v1(30.5,19.5) ; U6.4 25.03,26.72 v1(25,26.75) ; D9.2 22.6,38.9 v1(22.75,38.75) ; D9.2 v1(21,37.25) ; C81.2 77.01,21.78 C80.2 77.51,20.89 v1(77.85,20.89) 77.85,20.26 C3.1 78.15,19.96 78.15,18.28 ; 42.4,35.15 D2.1 ; v1(74.38,33.18) 74.36,33.18 C75.2 ; v1(84.13,30.03) Y1.2
  Top w1: v1(42.5,62.25) v1(42.5,61.25) 42.55,61.25 C55.2 ; v1(42.5,62.25) C55.2 ; v1(42.5,62.25) v1(42.5,63.25) 42.55,63.25 C55.2 ; v1(51.75,84) v1(51.75,83) v1(52.75,83) ; v1(51.75,84) v1(52.75,84) ; v1(51.75,84) 52.7,84.95 C52.2 ; v1(53.75,84) 53.75,84.2 C52.2 ; v1(53.75,84) v1(52.75,84) ; v1(53.75,84) v1(53.75,83) v1(52.75,83) ; v1(42.25,73.25) v1(42.25,72.25) 42.3,72.25 C54.2 ; v1(42.25,73.25) C54.2 ; v1(42.25,73.25) v1(42.25,74.25) 42.3,74.25 C54.2 ; v1(52.75,83) v1(52.75,84) ; v1(54.25,80.75) v1(54.25,79.75) 54.2,79.75 C53.2 ; v1(54.25,80.75) C53.2 ; v1(54.25,80.75) v1(54.25,81.75) 54.2,81.75 C53.2 ; C52.2 53.35,85.9 J16.2 ; C52.2 52.7,84.05 v1(52.75,84) ; v1(66.5,84.5) 66.55,84.45 C57.2 v1(65.5,83.25) ; C58.2 74.75,78.55 v1(74.75,78.5) v1(75.75,78.5) ; C58.2 v1(75.75,78.5) ; C58.2 76.75,78.55 v1(76.75,78.5) v1(75.75,78.5) ; v1(61.5,73.75) C56.2 62.55,72.55
  vias: v1(26.25,86.5) v1(62.5,72.5) v1(70.5,73.5)
VCC: length 37.9
  Top w0.25: J16.1 49.95,91.45 51.65,93.15 59.1,93.15 63.07,89.17 R82.1 64.8,89.97 64.8,97.2 TP7.1
  Top w1: J16.1 49.95,86.1 C52.1 50.19,85.25 49.75,84.81 FB3.1 FB2.1 FB1.1
/Analog Input/Analog_In_L: length 6.5
  Top w0.25: R38.1 29.26,29.47 ; 29.26,28.24 29.66,27.84 U6.1 33.5,26.72
